# KiCad board register-backplane.kicad_pcb (continued)
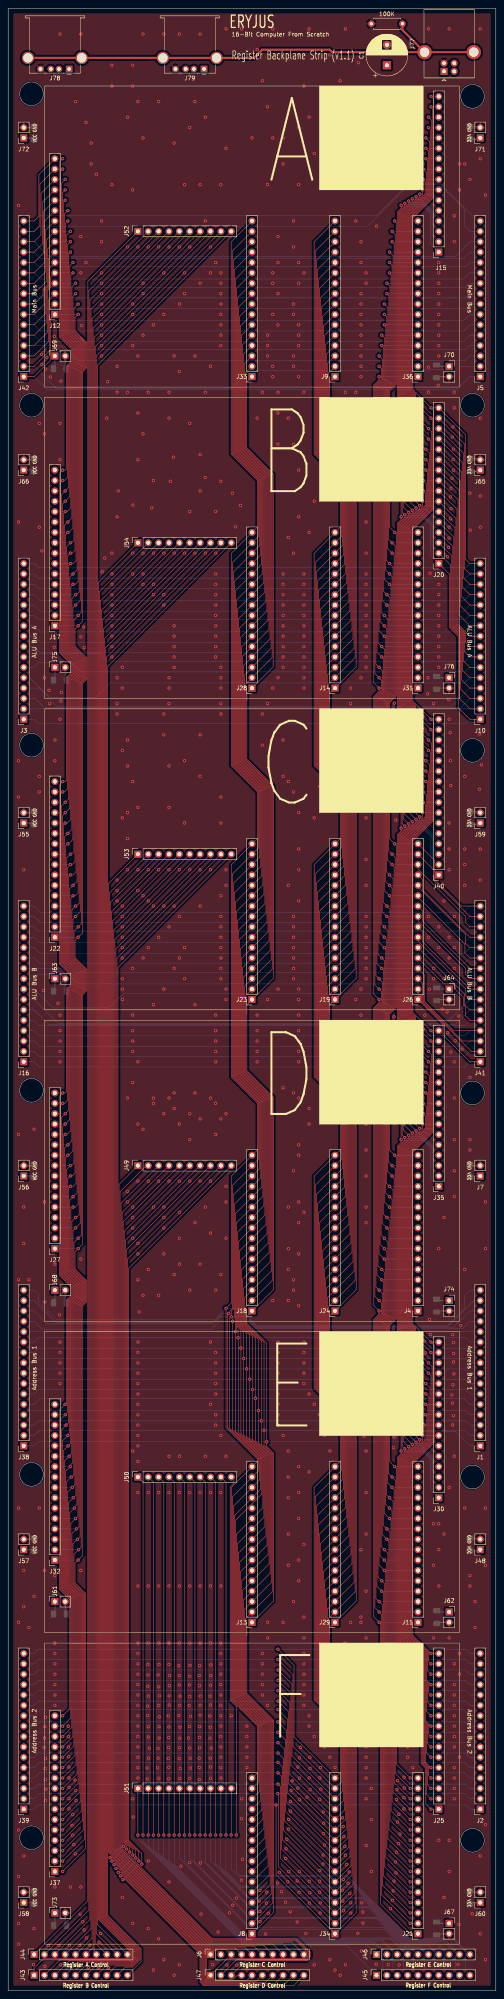
[diagram p0: board, top side]
## Routing (per net, layer and track width the routed paths; a pad name or vN(x,y) marks a point on that pad's centre or on a via; arc(x,y) is an arc through that point) (continued)
ALUBAssert_A: length 241.1
  Top w0.127: v1(26.97,29.01) 27.62,29.01 47.47,9.15 47.47,2.35 48.07,1.75 65.25,1.75 J47.8 ; J49.8 28.91,181.31 28.91,36.69 31.22,34.38 v1(31.22,32.49)
  Bottom w0.127: v1(31.22,32.49) 30.45,32.49 v1(26.97,29.01)
ALUBAssert_B: length 161.6
  Top w0.127: J50.8 50.8,124.46 50.8,38.15 v1(50.77,38.13)
  Bottom w0.127: J46.8 105.08,11.76 97.93,11.76 86.79,22.9 58.94,22.9 50.77,31.06 v1(50.77,38.13)
ALUBAssert_C: length 90.3
  Top w0.127: J51.8 49.53,38.15 v1(49.5,38.13)
  Bottom w0.127: v1(49.5,38.13) 49.5,31.97 58.83,22.64 86.69,22.64 97.83,11.5 104.73,11.5 106.91,9.32 106.91,4.85 J45.8
ALUBAssert_D: length 434.5
  Top w0.127: J44.8 21.29,11.73 21.29,402.29 J52.8
ALUBAssert_E: length 304.7
  Top w0.127: J53.8 26.37,254.97 26.37,34.57 49.48,11.45 64.75,11.45 J6.8
ALUBAssert_F: length 370.2
  Top w0.127: J43.8 26.39,6.07 30.38,6.07 32.03,7.72 32.03,10.06 23.83,18.26 23.83,328.63 J54.8
ALUBBit0: length 573.8
  Top w0.127: v1(90.8,394.97) 90.8,394.21 89.51,392.92 89.51,320.07 v1(90.8,318.77) 90.8,318.01 89.51,316.72 89.51,243.87 v1(90.8,242.57) 90.8,241.81 89.51,240.52 89.51,167.67 v1(90.8,166.37) 90.8,165.61 89.51,164.32 89.51,91.47 v1(90.8,90.17) 91.19,89.79 91.19,21.21 v1(98.42,13.97) ; J26.1 106.45,236.45 106.45,233.91 113.03,227.33 J41.1
  Bottom w0.127: J31.1 v1(90.8,318.77) ; J36.1 v1(90.8,394.97) ; J21.1 v1(98.42,13.97) ; v1(90.8,90.17) J11.1 ; J41.1 113.03,227.33 111.76,226.06 7.62,226.06 6.35,227.33 J16.1 ; J4.1 v1(90.8,166.37) ; J26.1 v1(90.8,242.57)
ALUBBit1: length 575.5
  Top w0.127: v1(90.8,397.51) 91.44,396.88 91.44,394.49 89.76,392.81 89.76,322.35 v1(90.8,321.31) 91.44,320.68 91.44,318.29 89.76,316.61 89.76,246.15 v1(90.8,245.11) 91.44,244.48 91.44,242.09 89.76,240.41 89.76,169.95 v1(90.8,168.91) 91.44,168.28 91.44,165.89 89.76,164.21 89.76,93.75 v1(90.8,92.71) 91.44,92.08 91.44,23.5 v1(98.42,16.51) ; J26.2 100.33,243.61 101.37,243.61 101.37,241.89 113.39,229.87 J41.2
  Bottom w0.127: J36.2 v1(90.8,397.51) ; v1(90.8,92.71) J11.2 ; J16.2 6.35,229.87 7.62,228.6 111.76,228.6 113.03,229.87 J41.2 ; J4.2 v1(90.8,168.91) ; J31.2 v1(90.8,321.31) ; J26.2 v1(90.8,245.11) ; J21.2 v1(98.42,16.51)
ALUBBit2: length 576.2
  Top w0.127: J41.3 111.21,232.41 101.62,241.99 101.62,243.72 101.48,243.86 101.37,243.86 101.37,246.61 J26.3 ; v1(98.42,19.05) 91.69,25.78 91.69,94.36 v1(90.8,95.25) 90.02,96.04 90.02,164.11 91.69,165.78 91.69,170.56 v1(90.8,171.45) 90.02,172.24 90.02,240.31 91.69,241.98 91.69,246.76 v1(90.8,247.65) 90.02,248.44 90.02,316.51 91.69,318.18 91.69,322.96 v1(90.8,323.85) 90.02,324.64 90.02,392.71 91.69,394.38 91.69,399.16 v1(90.8,400.05)
  Bottom w0.127: J31.3 v1(90.8,323.85) ; v1(90.8,95.25) J11.3 ; J4.3 v1(90.8,171.45) ; J16.3 6.35,232.41 7.62,231.14 111.76,231.14 113.03,232.41 J41.3 ; J36.3 v1(90.8,400.05) ; J21.3 v1(98.42,19.05) ; J26.3 v1(90.8,247.65)
ALUBBit3: length 574
  Top w0.127: v1(98.42,21.59) 91.95,28.07 91.95,97.28 v1(91.44,97.79) 90.27,98.96 90.27,164 91.95,165.68 91.95,173.48 v1(91.44,173.99) 90.27,175.16 90.27,240.2 91.95,241.88 91.95,249.68 v1(91.44,250.19) 90.27,251.36 90.27,316.4 91.95,318.08 91.95,325.88 v1(91.44,326.39) 90.27,327.56 90.27,392.6 91.95,394.28 91.95,402.08 v1(91.44,402.59) ; J26.4 101.88,248.64 101.88,242.1 109.03,234.95 J41.4
  Bottom w0.127: J21.4 v1(98.42,21.59) ; J4.4 v1(91.44,173.99) ; J26.4 v1(91.44,250.19) ; J36.4 v1(91.44,402.59) ; J31.4 v1(91.44,326.39) ; J16.4 6.35,234.95 7.62,233.68 111.76,233.68 113.03,234.95 J41.4 ; v1(91.44,97.79) J11.4
ALUBBit4: length 572.9
  Top w0.127: J26.5 106.68,246.38 108.86,246.38 109.44,245.8 109.44,245.11 111.48,243.06 111.48,241.22 111.99,240.71 111.99,238.53 113.03,237.49 J41.5 ; v1(98.42,24.13) 92.2,30.35 92.2,99.57 v1(91.44,100.33) 90.53,101.24 90.53,163.9 92.2,165.57 92.2,175.77 v1(91.44,176.53) 90.53,177.44 90.53,240.1 92.2,241.77 92.2,251.97 v1(91.44,252.73) 90.53,253.64 90.53,316.3 92.2,317.97 92.2,328.17 v1(91.44,328.93) 90.53,329.84 90.53,392.5 92.2,394.17 92.2,404.37 v1(91.44,405.13)
  Bottom w0.127: J41.5 113.03,237.49 111.76,236.22 7.62,236.22 6.35,237.49 J16.5 ; v1(91.44,100.33) J11.5 ; J36.5 v1(91.44,405.13) ; J26.5 v1(91.44,252.73) ; J4.5 v1(91.44,176.53) ; J21.5 v1(98.42,24.13) ; J31.5 v1(91.44,328.93)
ALUBBit5: length 570.1
  Top w0.127: v1(92.07,407.67) 92.46,407.29 92.46,394.07 90.78,392.39 90.78,332.77 v1(92.07,331.47) 92.46,331.09 92.46,317.87 90.78,316.19 90.78,256.57 v1(92.07,255.27) 92.46,254.89 92.46,241.67 90.78,239.99 90.78,180.37 v1(92.07,179.07) 92.46,178.69 92.46,165.47 90.78,163.79 90.78,104.17 v1(92.07,102.87) 92.46,102.49 92.46,32.64 v1(98.42,26.67) ; J41.6 113.03,240.03 111.74,241.32 111.74,243.86 J26.6
  Bottom w0.127: J41.6 113.03,240.03 109.47,236.47 9.91,236.47 6.35,240.03 J16.6 ; J31.6 v1(92.07,331.47) ; J21.6 v1(98.42,26.67) ; J26.6 v1(92.07,255.27) ; J36.6 v1(92.07,407.67) ; J4.6 v1(92.07,179.07) ; v1(92.07,102.87) J11.6
ALUBBit6: length 572
  Top w0.127: v1(98.42,29.21) 92.71,34.93 92.71,104.78 v1(92.07,105.41) 91.03,106.45 91.03,163.68 92.71,165.36 92.71,180.98 v1(92.07,181.61) 91.03,182.65 91.03,239.88 92.71,241.56 92.71,257.18 v1(92.07,257.81) 91.03,258.85 91.03,316.08 92.71,317.76 92.71,333.38 v1(92.07,334.01) 91.03,335.05 91.03,392.28 92.71,393.96 92.71,409.58 v1(92.07,410.21) ; J41.7 113.03,242.57 111.99,243.61 111.99,245.19 100.33,256.84 J26.7
  Bottom w0.127: J31.7 v1(92.07,334.01) ; J41.7 113.03,242.57 107.19,236.73 12.19,236.73 6.35,242.57 J16.7 ; J36.7 v1(92.07,410.21) ; J4.7 v1(92.07,181.61) ; J21.7 v1(98.42,29.21) ; v1(92.07,105.41) J11.7 ; J26.7 v1(92.07,257.81)
ALUBBit7: length 571
  Top w0.127: v1(92.07,412.75) 92.96,411.86 92.96,393.86 91.29,392.18 91.29,337.34 v1(92.07,336.55) 92.96,335.66 92.96,317.66 91.29,315.98 91.29,261.14 v1(92.07,260.35) 92.96,259.46 92.96,241.46 91.29,239.78 91.29,184.94 v1(92.07,184.15) 92.96,183.26 92.96,165.26 91.29,163.58 91.29,108.74 v1(92.07,107.95) 92.96,107.06 92.96,37.21 v1(98.42,31.75) ; J26.8 101.37,259.31 101.37,256.77 113.03,245.11 J41.8
  Bottom w0.127: J26.8 v1(92.07,260.35) ; J36.8 v1(92.07,412.75) ; v1(92.07,107.95) J11.8 ; J16.8 6.35,245.11 10.95,240.51 24.69,240.51 28.17,244 111.92,244 113.03,245.11 J41.8 ; J4.8 v1(92.07,184.15) ; J31.8 v1(92.07,336.55) ; J21.8 v1(98.42,31.75)
ALUBBit8: length 565.7
  Top w0.127: J26.9 100.33,261.82 111.99,250.16 111.99,248.69 113.03,247.65 J41.9 ; v1(98.42,34.29) 93.22,39.5 93.22,109.98 v1(92.71,110.49) 91.54,111.66 91.54,163.47 93.22,165.15 93.22,186.18 v1(92.71,186.69) 91.54,187.86 91.54,239.67 93.22,241.35 93.22,262.38 v1(92.71,262.89) 91.54,264.06 91.54,315.87 93.22,317.55 93.22,338.58 v1(92.71,339.09) 91.54,340.26 91.54,392.07 93.22,393.75 93.22,414.78 v1(92.71,415.29)
  Bottom w0.127: v1(92.71,110.49) J11.9 ; J41.9 113.03,247.65 111.76,246.38 17.15,246.38 14.76,248.76 7.46,248.76 6.35,247.65 J16.9 ; J21.9 v1(98.42,34.29) ; v1(92.71,262.89) J26.9 ; v1(92.71,186.69) J4.9 ; v1(92.71,339.09) J31.9 ; v1(92.71,415.29) J36.9
ALUBBit9: length 564.6
  Top w0.127: v1(92.71,417.83) 93.47,417.07 93.47,393.65 91.8,391.97 91.8,342.54 v1(92.71,341.63) 93.47,340.87 93.47,317.45 91.8,315.77 91.8,266.34 v1(92.71,265.43) 93.47,264.67 93.47,241.25 91.8,239.57 91.8,190.14 v1(92.71,189.23) 93.47,188.47 93.47,165.05 91.8,163.37 91.8,113.94 v1(92.71,113.03) 93.47,112.27 93.47,41.78 v1(98.42,36.83) ; J26.10 101.37,264.39 101.37,261.85 113.03,250.19 J41.10
  Bottom w0.127: v1(92.71,265.43) J26.10 ; v1(92.71,417.83) J36.10 ; J16.10 12.98,250.19 14.02,249.15 111.99,249.15 113.03,250.19 J41.10 ; v1(92.71,341.63) J31.10 ; v1(92.71,113.03) J11.10 ; J21.10 v1(98.42,36.83) ; v1(92.71,189.23) J4.10
ALUBBitA: length 561
  Top w0.127: J41.11 113.03,252.73 111.81,253.95 111.81,256.13 100.33,267.61 ; v1(93.34,420.37) 93.73,419.99 93.73,393.54 92.05,391.86 92.05,345.47 v1(93.34,344.17) 93.73,343.79 93.73,317.34 92.05,315.66 92.05,269.27 v1(93.34,267.97) 93.73,267.59 93.73,241.14 92.05,239.46 92.05,193.07 v1(93.34,191.77) 93.73,191.39 93.73,164.94 92.05,163.26 92.05,116.87 v1(93.34,115.57) 93.73,115.19 93.73,44.07 v1(98.42,39.37)
  Bottom w0.127: v1(93.34,420.37) J36.11 ; v1(93.34,344.17) J31.11 ; J21.11 v1(98.42,39.37) ; v1(93.34,115.57) J11.11 ; v1(93.34,191.77) J4.11 ; J41.11 113.03,252.73 111.76,251.46 7.62,251.46 6.35,252.73 J16.11 ; v1(93.34,267.97) J26.11
ALUBBitB: length 561.2
  Top w0.127: J41.12 113.03,255.27 111.99,256.31 111.99,258.49 100.33,270.15 ; v1(98.42,41.91) 93.98,46.36 93.98,117.48 v1(93.34,118.11) 92.3,119.15 92.3,163.16 93.98,164.84 93.98,193.68 v1(93.34,194.31) 92.3,195.35 92.3,239.36 93.98,241.04 93.98,269.88 v1(93.34,270.51) 92.3,271.55 92.3,315.56 93.98,317.24 93.98,346.08 v1(93.34,346.71) 92.3,347.75 92.3,391.76 93.98,393.44 93.98,422.28 v1(93.34,422.91)
  Bottom w0.127: v1(93.34,118.11) J11.12 ; v1(93.34,346.71) J31.12 ; J16.12 6.35,255.27 7.85,253.77 111.53,253.77 113.03,255.27 J41.12 ; v1(93.34,422.91) J36.12 ; J21.12 v1(98.42,41.91) ; v1(93.34,194.31) J4.12 ; v1(93.34,270.51) J26.12
ALUBBitC: length 561.3
  Top w0.127: v1(98.42,44.45) 94.23,48.64 94.23,119.76 v1(93.34,120.65) 92.56,121.44 92.56,163.05 94.23,164.73 94.23,195.96 v1(93.34,196.85) 92.56,197.64 92.56,239.25 94.23,240.93 94.23,272.16 v1(93.34,273.05) 92.56,273.84 92.56,315.45 94.23,317.13 94.23,348.36 v1(93.34,349.25) 92.56,350.04 92.56,391.65 94.23,393.33 94.23,424.56 v1(93.34,425.45) ; J26.13 101.37,272.01 101.37,269.47 113.03,257.81 J41.13
  Bottom w0.127: J41.13 113.03,257.81 111.76,256.54 7.62,256.54 6.35,257.81 J16.13 ; v1(93.34,273.05) J26.13 ; J21.13 v1(98.42,44.45) ; v1(93.34,425.45) J36.13 ; v1(93.34,196.85) J4.13 ; v1(93.34,120.65) J11.13 ; v1(93.34,349.25) J31.13
ALUBBitD: length 557.7
  Top w0.127: J41.14 113.03,260.35 111.96,261.42 111.96,262.89 100.33,274.52 J26.14 ; v1(98.42,46.99) 94.49,50.93 94.49,122.68 v1(93.98,123.19) 92.81,124.36 92.81,162.95 94.49,164.62 94.49,198.88 v1(93.98,199.39) 92.81,200.56 92.81,239.15 94.49,240.82 94.49,275.08 v1(93.98,275.59) 92.81,276.76 92.81,315.35 94.49,317.02 94.49,351.28 v1(93.98,351.79) 92.81,352.96 92.81,391.55 94.49,393.22 94.49,427.48 v1(93.98,427.99)
  Bottom w0.127: J41.14 113.03,260.35 111.99,259.31 7.39,259.31 6.35,260.35 J16.14 ; v1(93.98,427.99) J36.14 ; v1(93.98,275.59) J26.14 ; v1(93.98,199.39) J4.14 ; J21.14 v1(98.42,46.99) ; v1(93.98,123.19) J11.14 ; v1(93.98,351.79) J31.14
ALUBBitE: length 558.1
  Top w0.127: J26.15 104.12,274.34 104.12,271.8 113.03,262.89 J41.15 ; v1(93.98,430.53) 94.74,429.77 94.74,393.12 93.07,391.44 93.07,355.24 v1(93.98,354.33) 94.74,353.57 94.74,316.92 93.07,315.24 93.07,279.04 v1(93.98,278.13) 94.74,277.37 94.74,240.72 93.07,239.04 93.07,202.84 v1(93.98,201.93) 94.74,201.17 94.74,164.52 93.07,162.84 93.07,126.64 v1(93.98,125.73) 94.74,124.97 94.74,53.21 v1(98.42,49.53)
  Bottom w0.127: v1(93.98,354.33) J31.15 ; v1(93.98,430.53) J36.15 ; v1(93.98,278.13) J26.15 ; v1(93.98,125.73) J11.15 ; J21.15 v1(98.42,49.53) ; J41.15 113.03,262.89 111.53,261.39 7.85,261.39 6.35,262.89 J16.15 ; v1(93.98,201.93) J4.15
ALUBBitF: length 555.9
  Top w0.127: v1(98.42,52.07) 95,55.5 95,127.89 v1(94.61,128.27) 93.32,129.57 93.32,162.74 95,164.41 95,204.09 v1(94.61,204.47) 93.32,205.77 93.32,238.94 95,240.61 95,280.29 v1(94.61,280.67) 93.32,281.97 93.32,315.14 95,316.81 95,356.49 v1(94.61,356.87) 93.32,358.17 93.32,391.34 95,393.01 95,432.69 v1(94.61,433.07) ; J26.16 104.37,276.63 104.37,272.01 110.95,265.43 J41.16
  Bottom w0.127: J21.16 v1(98.42,52.07) ; v1(94.61,280.67) J26.16 ; J41.16 113.03,265.43 111.53,263.93 7.85,263.93 6.35,265.43 J16.16 ; v1(94.61,433.07) J36.16 ; v1(94.61,128.27) J11.16 ; v1(94.61,356.87) J31.16 ; v1(94.61,204.47) J4.16
AndLatch_A: length 225.9
  Top w0.127: J49.4 27.89,190.45 27.89,35.74 v1(28.27,35.36) ; v1(24.94,32.59) 25.47,32.59 48.49,9.57 48.49,2.77 55.04,2.77 56.08,3.81 J47.4
  Bottom w0.127: 27.42,35.16 27.62,35.36 v1(28.27,35.36) ; 27.42,35.16 24.94,32.68 v1(24.94,32.59) ; 27.42,35.16 27.6,35.34 28.23,35.34
AndLatch_B: length 161.6
  Top w0.127: v1(40.64,38.1) 40.64,124.46 J50.4
  Bottom w0.127: v1(40.64,38.1) 40.64,30.94 58.65,12.93 93.75,12.93 J46.4
AndLatch_C: length 90.5
  Top w0.127: J51.4 v1(39.37,38.1)
  Bottom w0.127: J45.4 96.75,4.85 96.75,9.57 93.65,12.68 58.54,12.68 39.37,31.85 v1(39.37,38.1)
AndLatch_D: length 432.2
  Top w0.127: J44.4 20.27,15.19 20.27,411.43 J52.4
AndLatch_E: length 292.1
  Top w0.127: J53.4 25.35,264.11 25.35,34.15 49.06,10.44 55.6,10.44 J6.4
AndLatch_F: length 375.3
  Top w0.127: J54.4 22.81,337.77 22.81,17.84 31.01,9.64 31.01,8.14 29.96,7.09 17.25,7.09 J43.4
Clear_A: length 252.6
  Top w0.127: J49.1 27.13,197.31 27.13,34.88 49.8,12.22 70.53,12.22 73.53,9.22 73.53,8.56 72.82,7.85 53.57,7.85 J47.1
Clear_B: length 158.4
  Top w0.127: J50.1 33.02,124.46 v1(33.02,38.1)
  Bottom w0.127: J46.1 87.65,11.41 58.02,11.41 33.02,36.4 v1(33.02,38.1)
Clear_C: length 84.5
  Top w0.127: J51.1 v1(31.75,38.1)
  Bottom w0.127: v1(31.75,38.1) 31.75,37.31 57.91,11.15 82.83,11.15 J45.1
Clear_D: length 432.2
  Top w0.127: J44.1 19.51,22.05 19.51,418.29 J52.1
Clear_E: length 282.5
  Top w0.127: J6.1 24.59,33.83 24.59,270.97 J53.1
Clear_F: length 380.1
  Top w0.127: J43.1 6.35,5.56 8.64,7.85 29.64,7.85 30.25,8.46 30.25,9.32 22.05,17.52 22.05,344.63 J54.1
MainBit0: length 558.9
  Top w0.127: v1(13.34,29.21) 18.89,34.77 18.89,97.29 16.36,99.83 16.36,104.62 v1(17.15,105.41) 18.12,106.38 18.12,167.49 19.23,168.6 19.23,173.76 16.36,176.63 16.36,180.82 v1(17.15,181.61) 18.14,182.61 18.14,243.66 19.25,244.77 19.25,249.94 16.38,252.81 ; J42.1 6.35,394.97 10.32,398.94 10.32,409.1 J12.1 ; v1(17.15,410.21) 16.36,409.42 16.36,406.2 19.25,403.3 19.25,397.17 18.14,396.06 18.14,335.01 v1(17.15,334.01) 16.36,333.22 16.36,329.03 ; 16.36,252.83 16.36,257.02 v1(17.15,257.81) 18.14,258.81 18.14,319.86 19.25,320.97 19.25,326.14 16.38,329.01
  Bottom w0.127: v1(17.15,105.41) J32.1 ; J37.1 v1(13.34,29.21) ; v1(17.15,181.61) J27.1 ; J5.1 113.03,394.97 109.93,391.87 9.45,391.87 6.35,394.97 J42.1 ; J22.1 v1(17.15,257.81) ; J17.1 v1(17.15,334.01) ; J12.1 v1(17.15,410.21)
MainBit1: length 562.5
  Top w0.127: v1(17.15,412.75) 16.1,411.71 16.1,406.09 17.63,404.57 ; J12.2 10.06,411.38 10.06,401.22 6.35,397.51 J42.2 ; 18.51,403.68 17.63,404.57 ; 18.51,403.68 17.63,404.57 ; 18.51,403.68 19,403.2 19,397.28 17.89,396.17 17.89,337.29 v1(17.15,336.55) 16.1,335.51 16.1,328.93 ; 16.1,252.73 16.1,259.31 v1(17.15,260.35) 17.89,261.09 17.89,319.97 19,321.08 19,326.03 16.13,328.9 ; v1(13.34,31.75) 18.64,37.05 18.64,97.18 16.1,99.72 16.1,106.83 v1(17.23,107.95) 17.25,107.95 17.86,108.57 17.86,167.6 18.97,168.71 18.97,173.66 16.1,176.53 16.1,183.11 v1(17.15,184.15) 17.89,184.89 17.89,243.77 19,244.88 19,249.83 16.13,252.7
  Bottom w0.127: J37.2 v1(13.34,31.75) ; J42.2 6.35,397.51 11.73,392.13 54.76,392.13 59.18,396.54 59.26,396.47 102.97,396.47 103.25,396.75 106.48,396.75 106.84,396.4 109.63,396.4 110.74,397.51 J5.2 ; J12.2 v1(17.15,412.75) ; v1(17.23,107.95) J32.2 ; v1(17.15,184.15) J27.2 ; J22.2 v1(17.15,260.35) ; J17.2 v1(17.15,336.55)
MainBit2: length 555.2
  Top w0.127: v1(16.51,415.29) 15.85,414.63 15.85,405.99 18.75,403.09 18.75,397.38 17.63,396.27 17.63,340.21 v1(16.51,339.09) 15.85,338.43 15.85,328.82 ; J12.3 9.81,413.67 9.81,403.51 6.35,400.05 J42.3 ; v1(13.34,34.29) 18.39,39.34 18.39,97.08 15.85,99.61 15.85,109.37 v1(16.97,110.49) 17.61,111.13 17.61,167.7 18.72,168.81 18.72,173.55 15.85,176.42 15.85,186.03 v1(16.51,186.69) 17.63,187.81 17.63,243.87 18.75,244.98 18.75,249.73 15.88,252.6 ; 15.85,252.62 15.85,262.23 v1(16.51,262.89) 17.63,264.01 17.63,320.07 18.75,321.18 18.75,325.93 15.88,328.8
  Bottom w0.127: J22.3 v1(16.51,262.89) ; J42.3 6.35,400.05 7.46,401.16 14.92,401.16 17.15,398.94 111.92,398.94 113.03,400.05 J5.3 ; J37.3 v1(13.34,34.29) ; J17.3 v1(16.51,339.09) ; J12.3 v1(16.51,415.29) ; v1(16.97,110.49) J32.3 ; v1(16.51,186.69) J27.3
MainBit3: length 554.4
  Top w0.127: 15.6,252.52 15.6,264.52 v1(16.51,265.43) 16.71,265.43 17.38,266.1 17.38,320.18 18.49,321.29 18.49,325.82 15.62,328.69 ; J12.4 9.55,415.95 9.55,405.79 6.35,402.59 J42.4 ; v1(13.34,36.83) 18.13,41.63 18.13,96.97 15.6,99.51 15.6,111.91 v1(16.72,113.03) 16.84,113.03 17.35,113.54 17.35,167.81 18.47,168.92 18.47,173.45 15.6,176.32 15.6,188.32 v1(16.51,189.23) 16.71,189.23 17.38,189.9 17.38,243.98 18.49,245.09 18.49,249.62 15.62,252.49 ; 15.6,328.72 15.6,340.72 v1(16.51,341.63) 16.71,341.63 17.38,342.3 17.38,396.38 18.49,397.49 18.49,402.99 15.6,405.88 15.6,416.92 v1(16.51,417.83)
  Bottom w0.127: J22.4 v1(16.51,265.43) ; J37.4 v1(13.34,36.83) ; v1(16.72,113.03) J32.4 ; v1(16.51,189.23) J27.4 ; J12.4 v1(16.51,417.83) ; J17.4 v1(16.51,341.63) ; J42.4 12.88,402.59 13.92,401.55 111.99,401.55 113.03,402.59 J5.4
MainBit4: length 552.2
  Top w0.127: v1(13.34,39.37) 17.88,43.91 17.88,96.87 15.34,99.4 15.34,114.4 v1(16.51,115.57) 17.1,116.16 17.1,167.91 18.21,169.02 18.21,173.34 15.34,176.21 15.34,191.24 v1(15.88,191.77) 16.41,191.77 17.13,192.48 17.13,244.08 18.24,245.19 18.24,249.52 15.37,252.39 ; 15.34,252.41 15.34,267.44 v1(15.88,267.97) 16.41,267.97 17.13,268.68 17.13,320.28 18.24,321.39 18.24,325.72 15.37,328.59 ; v1(15.88,420.37) 15.34,419.84 15.34,405.78 18.24,402.88 18.24,397.59 17.13,396.48 17.13,344.88 16.41,344.17 v1(15.88,344.17) 15.34,343.64 15.34,328.61 ; J12.5 10.39,419.33 10.39,417.15 9.3,416.06 9.3,408.08 6.35,405.13 J42.5
  Bottom w0.127: J12.5 v1(15.88,420.37) ; v1(16.51,115.57) J32.5 ; J37.5 v1(13.34,39.37) ; J17.5 v1(15.88,344.17) ; J42.5 6.35,405.13 7.85,403.63 111.53,403.63 113.03,405.13 J5.5 ; J22.5 v1(15.88,267.97) ; v1(15.88,191.77) J27.5
MainBit5: length 551.1
  Top w0.127: 15.11,252.28 17.98,249.41 17.98,245.3 16.87,244.19 16.87,195.31 v1(15.88,194.31) 15.09,193.52 15.09,176.11 17.96,173.24 17.96,169.13 16.85,168.02 16.85,119.06 16.05,118.27 v1(16.21,118.11) 15.09,116.99 15.09,99.3 17.62,96.76 17.62,46.2 v1(13.34,41.91) ; 15.09,252.31 15.09,269.72 v1(15.88,270.51) 16.87,271.51 16.87,320.39 17.98,321.5 17.98,325.61 15.11,328.48 ; J12.6 10.14,421.62 10.14,417.25 9.05,416.16 9.05,410.37 6.35,407.67 J42.6 ; 15.09,328.51 15.09,345.92 v1(15.88,346.71) 16.87,347.71 16.87,396.59 17.98,397.7 17.98,402.78 15.09,405.67 15.09,422.12 v1(15.88,422.91)
  Bottom w0.127: J37.6 v1(13.34,41.91) ; v1(15.88,194.31) J27.6 ; J5.6 113.03,407.67 111.53,406.17 7.85,406.17 6.35,407.67 J42.6 ; v1(16.21,118.11) J32.6 ; J12.6 v1(15.88,422.91) ; J17.6 v1(15.88,346.71) ; J22.6 v1(15.88,270.51)
MainBit6: length 549.1
  Top w0.127: 14.83,252.2 14.83,272.64 v1(15.24,273.05) 15.9,273.05 16.62,273.77 16.62,320.49 17.73,321.6 17.73,325.5 14.86,328.37 ; v1(15.24,425.45) 14.83,425.04 14.83,405.57 17.73,402.67 17.73,397.8 16.62,396.69 16.62,349.97 15.9,349.25 v1(15.24,349.25) 14.83,348.84 14.83,328.4 ; v1(13.34,44.45) 17.37,48.48 17.37,96.66 14.83,99.19 14.83,119.53 v1(15.96,120.65) 16.59,121.29 16.59,168.12 17.7,169.23 17.7,173.13 14.83,176 14.83,196.44 v1(15.24,196.85) 15.9,196.85 16.62,197.57 16.62,244.29 17.73,245.4 17.73,249.3 14.86,252.17 ; J12.7 9.88,423.9 9.88,417.36 8.79,416.27 8.79,412.65 6.35,410.21 J42.7
  Bottom w0.127: J5.7 113.03,410.21 111.53,408.71 7.85,408.71 6.35,410.21 J42.7 ; J17.7 v1(15.24,349.25) ; v1(15.96,120.65) J32.7 ; J22.7 v1(15.24,273.05) ; v1(15.24,196.85) J27.7 ; J37.7 v1(13.34,44.45) ; J12.7 v1(15.24,425.45)
MainBit7: length 548.1
  Top w0.127: v1(13.34,46.99) 17.12,50.77 17.12,96.55 14.58,99.09 14.58,122.07 v1(15.7,123.19) 15.75,123.19 16.34,123.78 16.34,168.23 17.45,169.34 17.45,173.03 14.58,175.9 14.58,198.73 v1(15.24,199.39) 15.68,199.39 16.36,200.08 16.36,244.4 17.48,245.51 17.48,249.2 14.6,252.07 ; 14.58,328.3 14.58,351.13 v1(15.24,351.79) 15.68,351.79 16.36,352.48 16.36,396.8 17.48,397.91 17.48,402.56 14.58,405.46 14.58,427.33 v1(15.24,427.99) ; J42.8 6.35,412.75 8.54,414.94 8.54,416.38 9.63,417.46 9.63,426.19 J12.8 ; 14.6,328.27 17.48,325.4 17.48,321.71 16.36,320.6 16.36,276.28 15.68,275.59 v1(15.24,275.59) 14.58,274.93 14.58,252.1
  Bottom w0.127: J22.8 v1(15.24,275.59) ; v1(15.7,123.19) J32.8 ; v1(15.24,199.39) J27.8 ; J12.8 v1(15.24,427.99) ; J5.8 113.03,412.75 111.99,411.71 7.39,411.71 6.35,412.75 J42.8 ; J17.8 v1(15.24,351.79) ; J37.8 v1(13.34,46.99)
MainBit8: length 547.7
  Top w0.127: v1(13.34,49.53) 16.86,53.06 16.86,96.45 14.33,98.98 14.33,124.61 v1(15.45,125.73) 15.6,125.73 16.08,126.22 16.08,168.33 17.2,169.44 17.2,172.92 14.33,175.79 14.33,201.02 v1(15.24,201.93) 15.55,201.93 16.11,202.49 16.11,244.5 17.22,245.61 17.22,249.09 14.35,251.96 ; 14.33,328.19 14.33,353.42 v1(15.24,354.33) 15.55,354.33 16.11,354.89 16.11,396.9 17.22,398.01 17.22,402.46 14.33,405.36 14.33,429.62 v1(15.24,430.53) ; J42.9 6.35,415.29 9.37,418.31 9.37,428.47 J12.9 ; 14.33,251.99 14.33,277.22 v1(15.24,278.13) 15.55,278.13 16.11,278.69 16.11,320.7 17.22,321.81 17.22,325.29 14.35,328.16
  Bottom w0.127: J22.9 v1(15.24,278.13) ; v1(15.45,125.73) J32.9 ; J42.9 6.35,415.29 7.39,414.25 111.99,414.25 113.03,415.29 J5.9 ; J12.9 v1(15.24,430.53) ; v1(15.24,201.93) J27.9 ; J17.9 v1(15.24,354.33) ; J37.9 v1(13.34,49.53)
MainBit9: length 544.5
  Top w0.127: J42.10 6.35,417.83 9.12,420.6 9.12,430.76 J12.10 ; v1(13.34,52.07) 16.61,55.34 16.61,96.34 14.07,98.88 14.07,127.15 v1(15.2,128.27) 15.01,128.45 15.83,129.27 15.83,168.44 16.94,169.55 16.94,172.82 14.07,175.69 14.07,203.94 v1(14.6,204.47) 14.81,204.47 15.86,205.51 15.86,244.61 16.97,245.72 16.97,248.99 14.1,251.86 ; v1(14.6,433.07) 14.07,432.54 14.07,405.25 16.97,402.35 16.97,398.12 15.86,397.01 15.86,357.91 14.81,356.87 v1(14.6,356.87) 14.07,356.34 14.07,328.09 ; 14.1,328.06 16.97,325.19 16.97,321.92 15.86,320.81 15.86,281.71 14.81,280.67 v1(14.6,280.67) 14.07,280.14 14.07,251.89
  Bottom w0.127: J12.10 v1(14.6,433.07) ; J37.10 v1(13.34,52.07) ; J5.10 113.03,417.83 111.99,416.79 7.39,416.79 6.35,417.83 J42.10 ; v1(14.6,204.47) J27.10 ; v1(15.2,128.27) J32.10 ; J22.10 v1(14.6,280.67) ; J17.10 v1(14.6,356.87)
MainBitA: length 544.1
  Top w0.127: 13.84,327.95 16.71,325.08 16.71,322.03 15.6,320.91 15.6,284.23 14.6,283.23 v1(14.6,283.21) 13.82,282.42 13.82,251.78 ; 13.84,251.75 16.71,248.88 16.71,245.83 15.6,244.71 15.6,208.03 14.6,207.03 v1(14.6,207.01) 13.82,206.22 13.82,175.58 16.69,172.71 16.69,169.65 15.58,168.54 15.58,131.45 v1(14.94,130.81) 13.82,129.69 13.82,98.77 16.35,96.24 16.35,57.63 v1(13.34,54.61) ; 13.82,327.98 13.82,358.62 v1(14.6,359.41) 14.6,359.43 15.6,360.43 15.6,397.11 16.71,398.23 16.71,402.25 13.82,405.14 13.82,434.82 v1(14.6,435.61) ; J42.11 6.35,420.37 8.87,422.89 8.87,433.05 J12.11
  Bottom w0.127: J5.11 113.03,420.37 111.53,418.87 7.85,418.87 6.35,420.37 J42.11 ; J37.11 v1(13.34,54.61) ; v1(14.94,130.81) J32.11 ; J12.11 v1(14.6,435.61) ; J17.11 v1(14.6,359.41) ; J22.11 v1(14.6,283.21) ; v1(14.6,207.01) J27.11
MainBitB: length 541.5
  Top w0.127: J42.12 6.35,422.91 8.61,425.17 8.61,435.33 J12.12 ; 13.56,327.88 13.56,361.54 v1(13.97,361.95) 14.41,361.95 15.35,362.89 15.35,397.22 16.46,398.33 16.46,402.14 13.56,405.04 13.56,437.74 v1(13.97,438.15) ; 13.56,251.68 13.56,285.34 v1(13.97,285.75) 14.41,285.75 15.35,286.69 15.35,321.02 16.46,322.13 16.46,324.98 13.59,327.85 ; 13.59,251.65 16.46,248.78 16.46,245.93 15.35,244.82 15.35,210.49 14.41,209.55 v1(13.97,209.55) 13.56,209.14 13.56,175.48 16.43,172.61 16.43,169.76 15.32,168.65 15.32,133.99 v1(14.69,133.35) 13.56,132.23 13.56,98.67 16.1,96.13 16.1,59.91 v1(13.34,57.15)
  Bottom w0.127: v1(14.69,133.35) J32.12 ; J22.12 v1(13.97,285.75) ; J17.12 v1(13.97,361.95) ; J5.12 113.03,422.91 111.99,421.87 7.39,421.87 6.35,422.91 J42.12 ; J37.12 v1(13.34,57.15) ; v1(13.97,209.55) J27.12 ; J12.12 v1(13.97,438.15)
MainBitC: length 541.1
  Top w0.127: 13.31,327.77 13.31,363.83 v1(13.97,364.49) 15.09,365.61 15.09,397.32 16.21,398.44 16.21,402.04 13.31,404.93 13.31,440.03 v1(13.97,440.69) ; 13.34,251.54 16.21,248.67 16.21,246.04 15.09,244.92 15.09,213.21 v1(13.97,212.09) 13.31,211.43 13.31,175.37 16.18,172.5 16.18,169.86 15.07,168.75 15.07,136.66 14.45,136.04 v1(14.6,135.89) 13.31,134.59 13.31,98.56 15.85,96.03 15.85,62.2 v1(13.34,59.69) ; J12.13 8.36,437.62 8.36,427.46 6.35,425.45 J42.13 ; 13.31,251.57 13.31,287.63 v1(13.97,288.29) 15.09,289.41 15.09,321.12 16.21,322.24 16.21,324.87 13.34,327.74
  Bottom w0.127: v1(13.97,212.09) J27.13 ; v1(14.6,135.89) J32.13 ; J42.13 6.35,425.45 7.85,423.95 111.53,423.95 113.03,425.45 J5.13 ; J22.13 v1(13.97,288.29) ; J12.13 v1(13.97,440.69) ; J37.13 v1(13.34,59.69) ; J17.13 v1(13.97,364.49)
MainBitD: length 542.3
  Top w0.127: 13.08,251.44 15.95,248.57 15.95,246.14 14.84,245.03 14.84,215.5 v1(13.97,214.63) 13.06,213.72 13.06,175.27 15.93,172.4 15.93,169.97 14.81,168.86 14.81,139.07 v1(14.18,138.43) 13.06,137.31 13.06,98.46 15.59,95.92 15.59,64.49 v1(13.34,62.23) ; 13.06,251.47 13.06,289.92 v1(13.97,290.83) 14.84,291.7 14.84,321.23 15.95,322.34 15.95,324.77 13.08,327.64 ; v1(13.97,443.23) 13.06,442.32 13.06,404.83 15.95,401.93 15.95,398.54 14.84,397.43 14.84,367.9 v1(13.97,367.03) 13.06,366.12 13.06,327.67 ; J42.14 6.35,427.99 8.03,429.67 8.03,439.83 J12.14
  Bottom w0.127: J5.14 113.03,427.99 109.45,424.41 9.93,424.41 6.35,427.99 J42.14 ; J22.14 v1(13.97,290.83) ; J37.14 v1(13.34,62.23) ; J17.14 v1(13.97,367.03) ; v1(14.18,138.43) J32.14 ; J12.14 v1(13.97,443.23) ; v1(13.97,214.63) J27.14
